# Altium PCB SOMO_PowerPack_Top.PcbDoc
Units mm, origin at the board's own origin, x right, y up, seen from the top; angles counter-clockwise.
Board outline 52.28 x 53.53 mm, 4 copper layers (Top Layer, Layer 1, Layer 2, Bottom Layer), stack 1.586 mm thick; 41 components, 57 nets, 270 pads, 36 vias.
Unrouted connection lines stored in the file: 55.
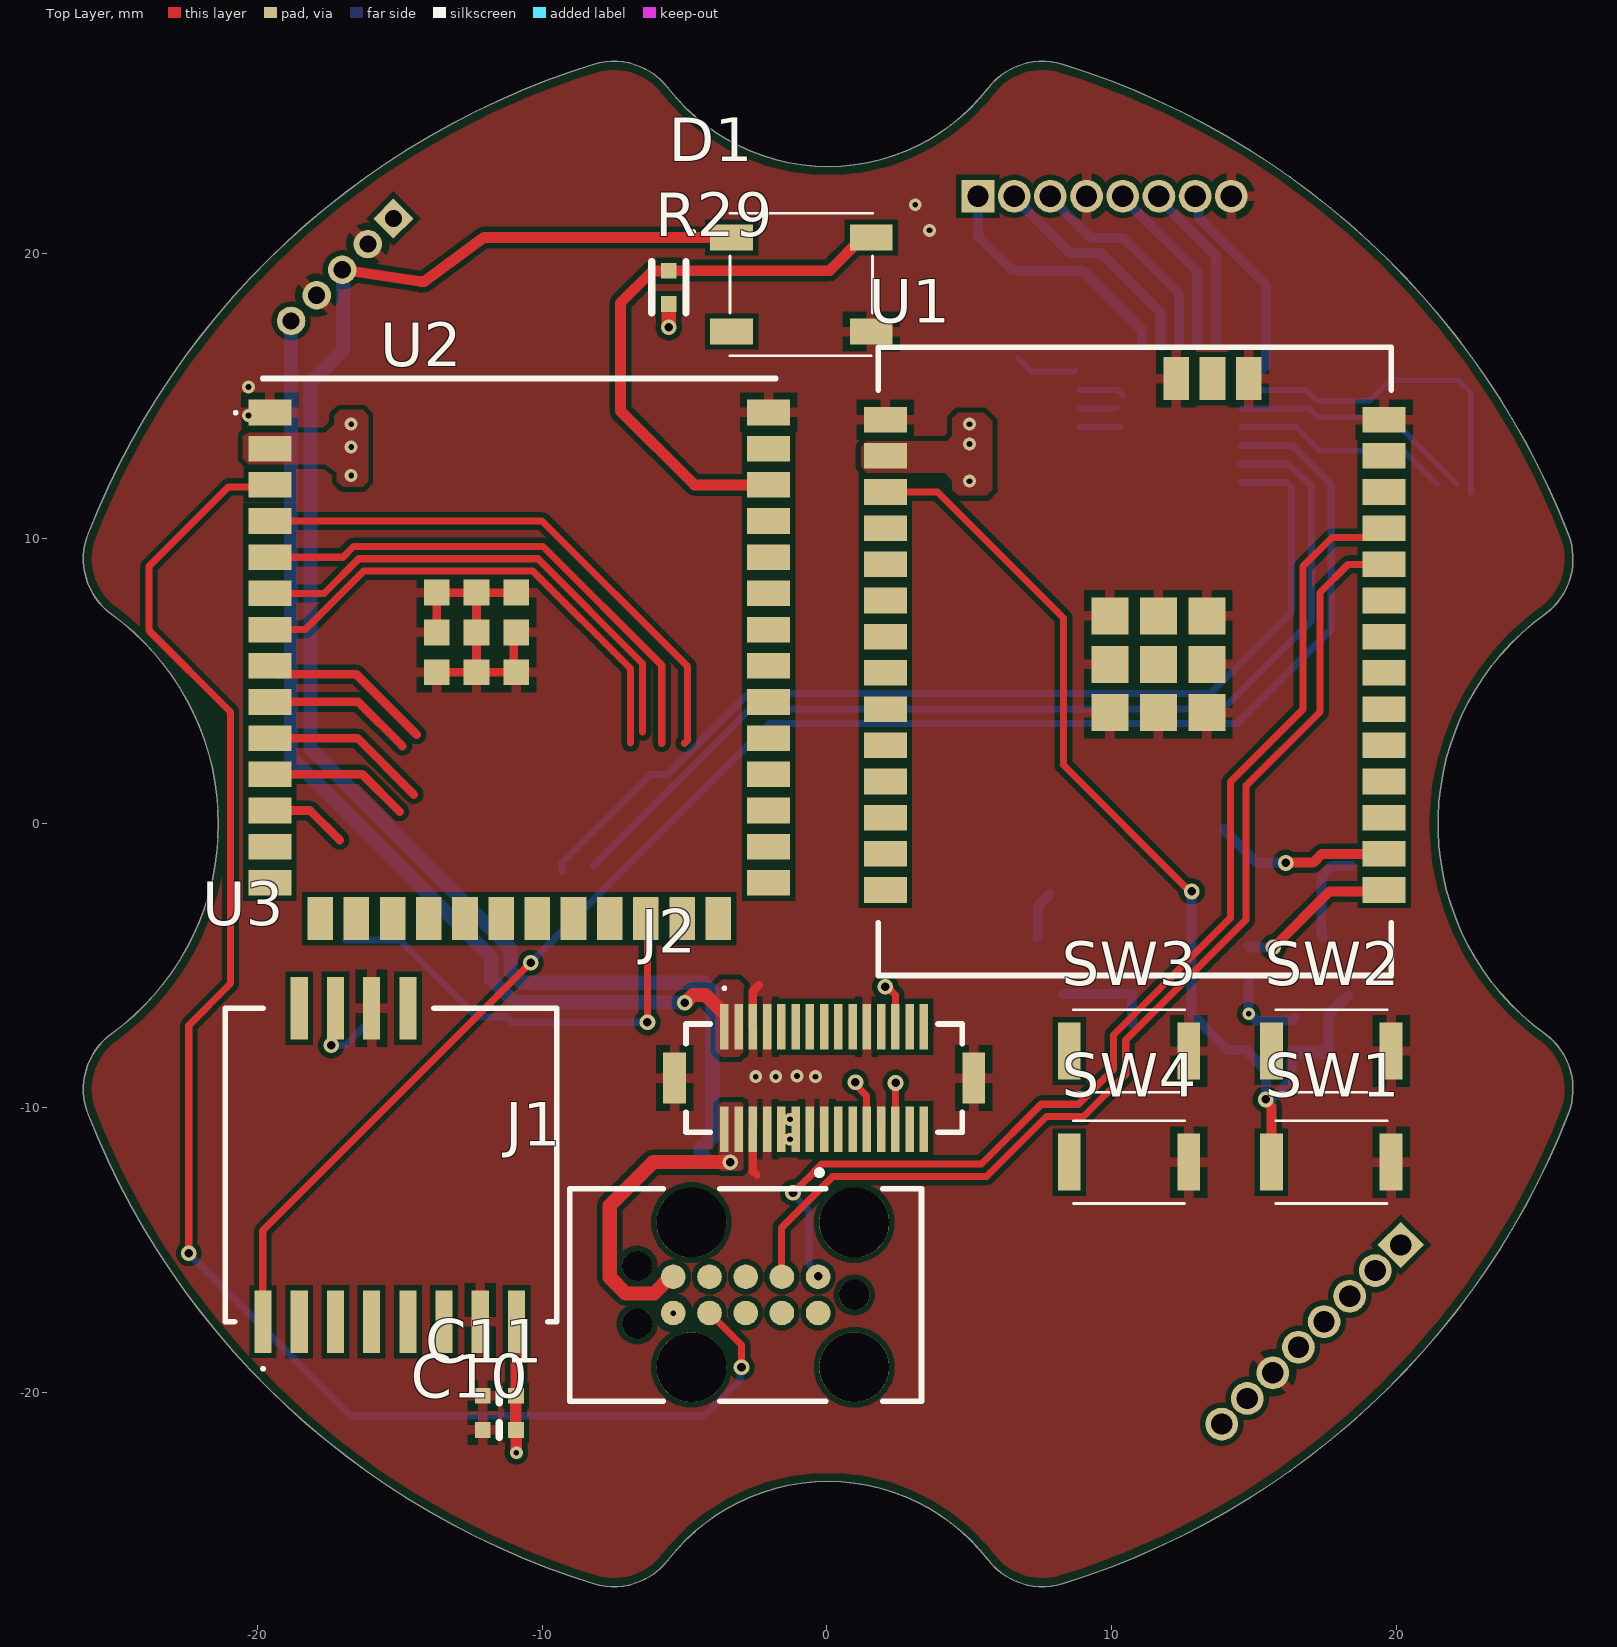
[diagram p0: Top Layer view]
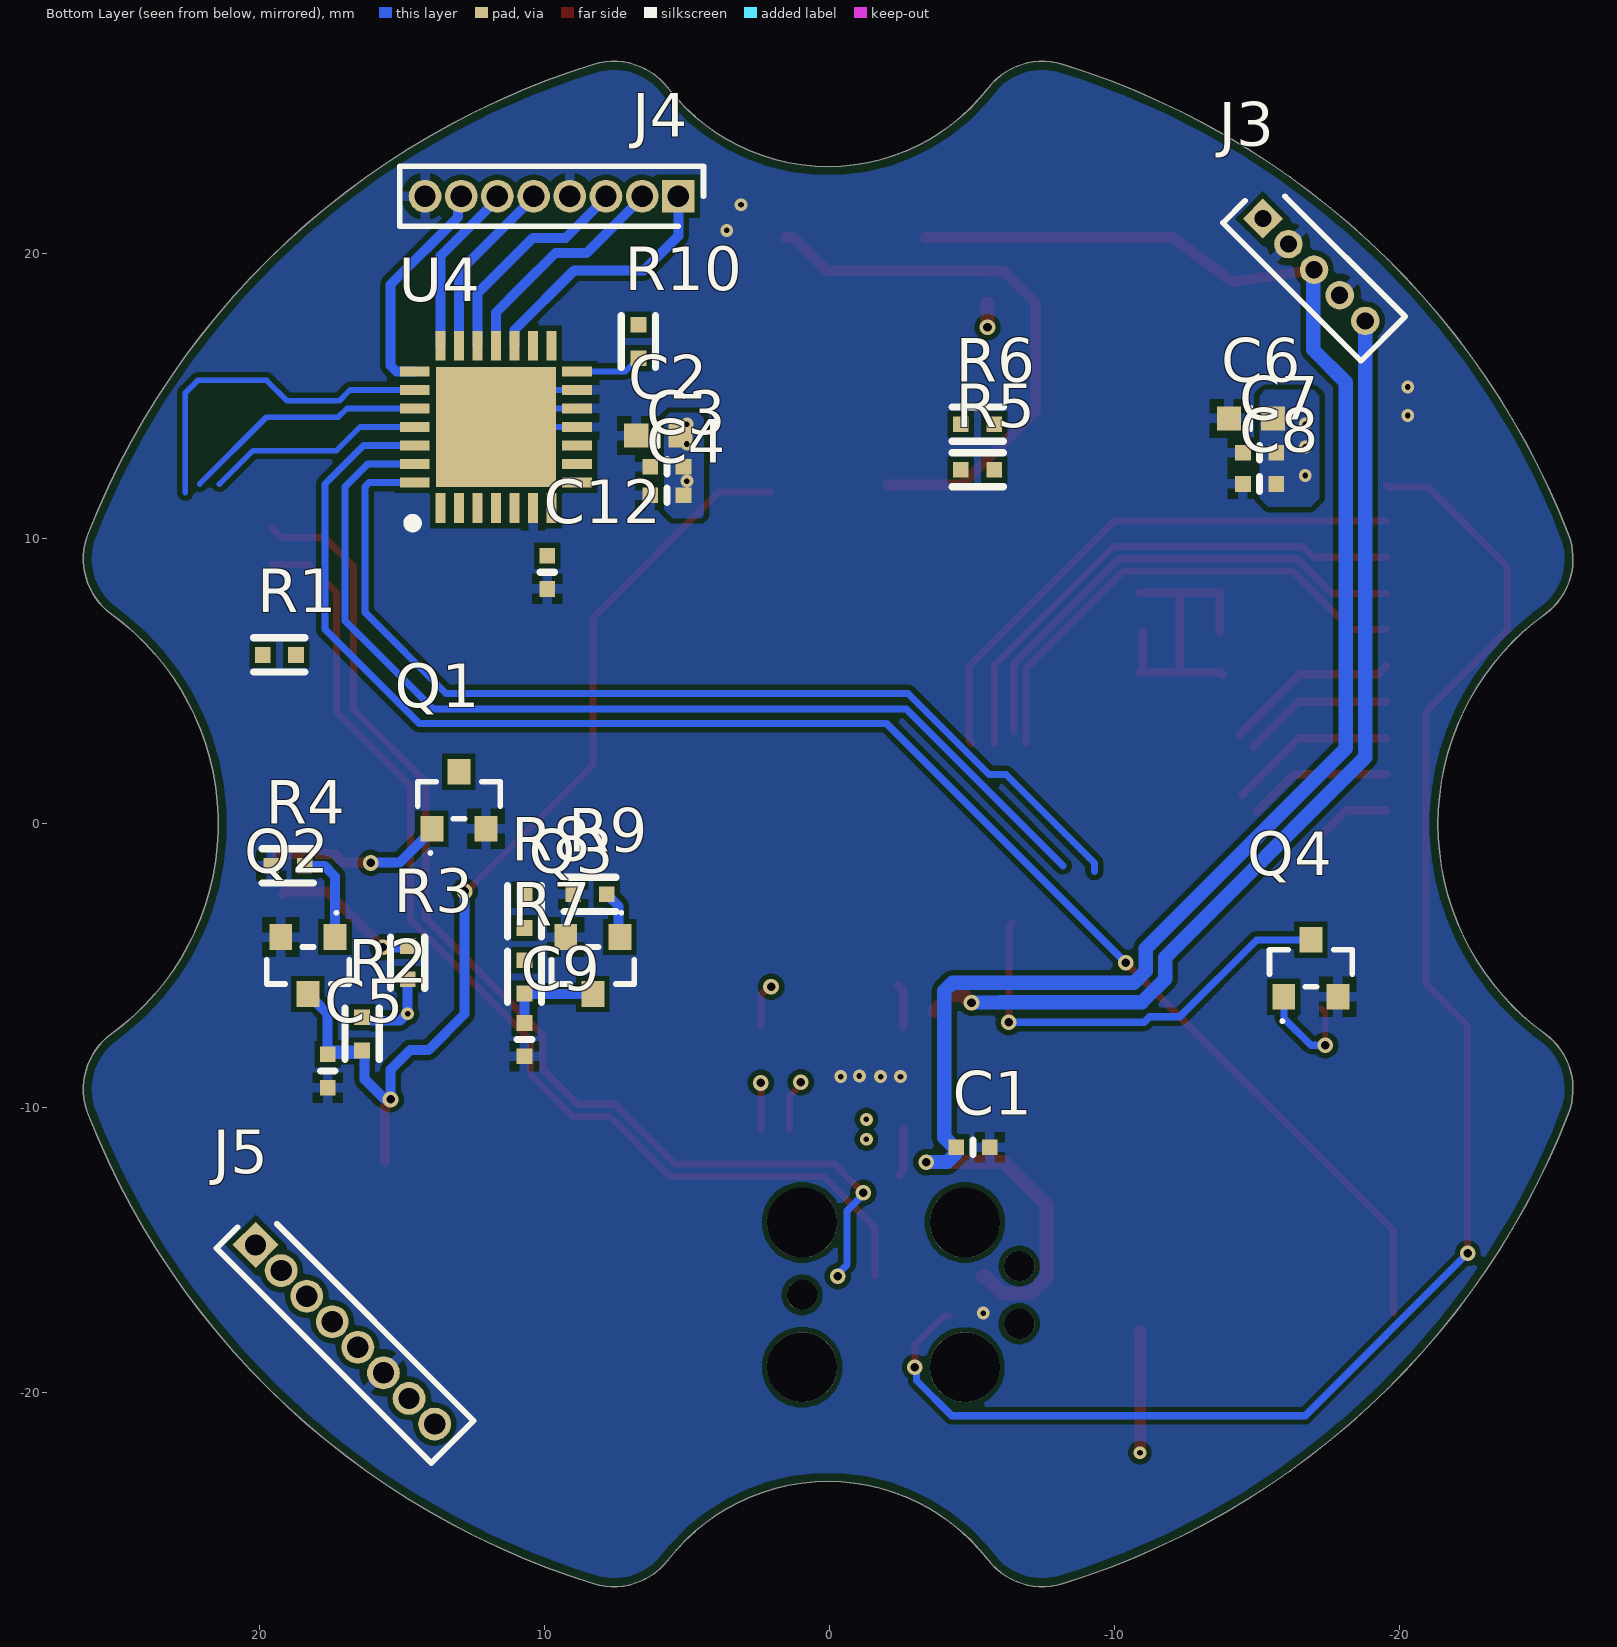
[diagram p1: Bottom Layer view, seen from below]
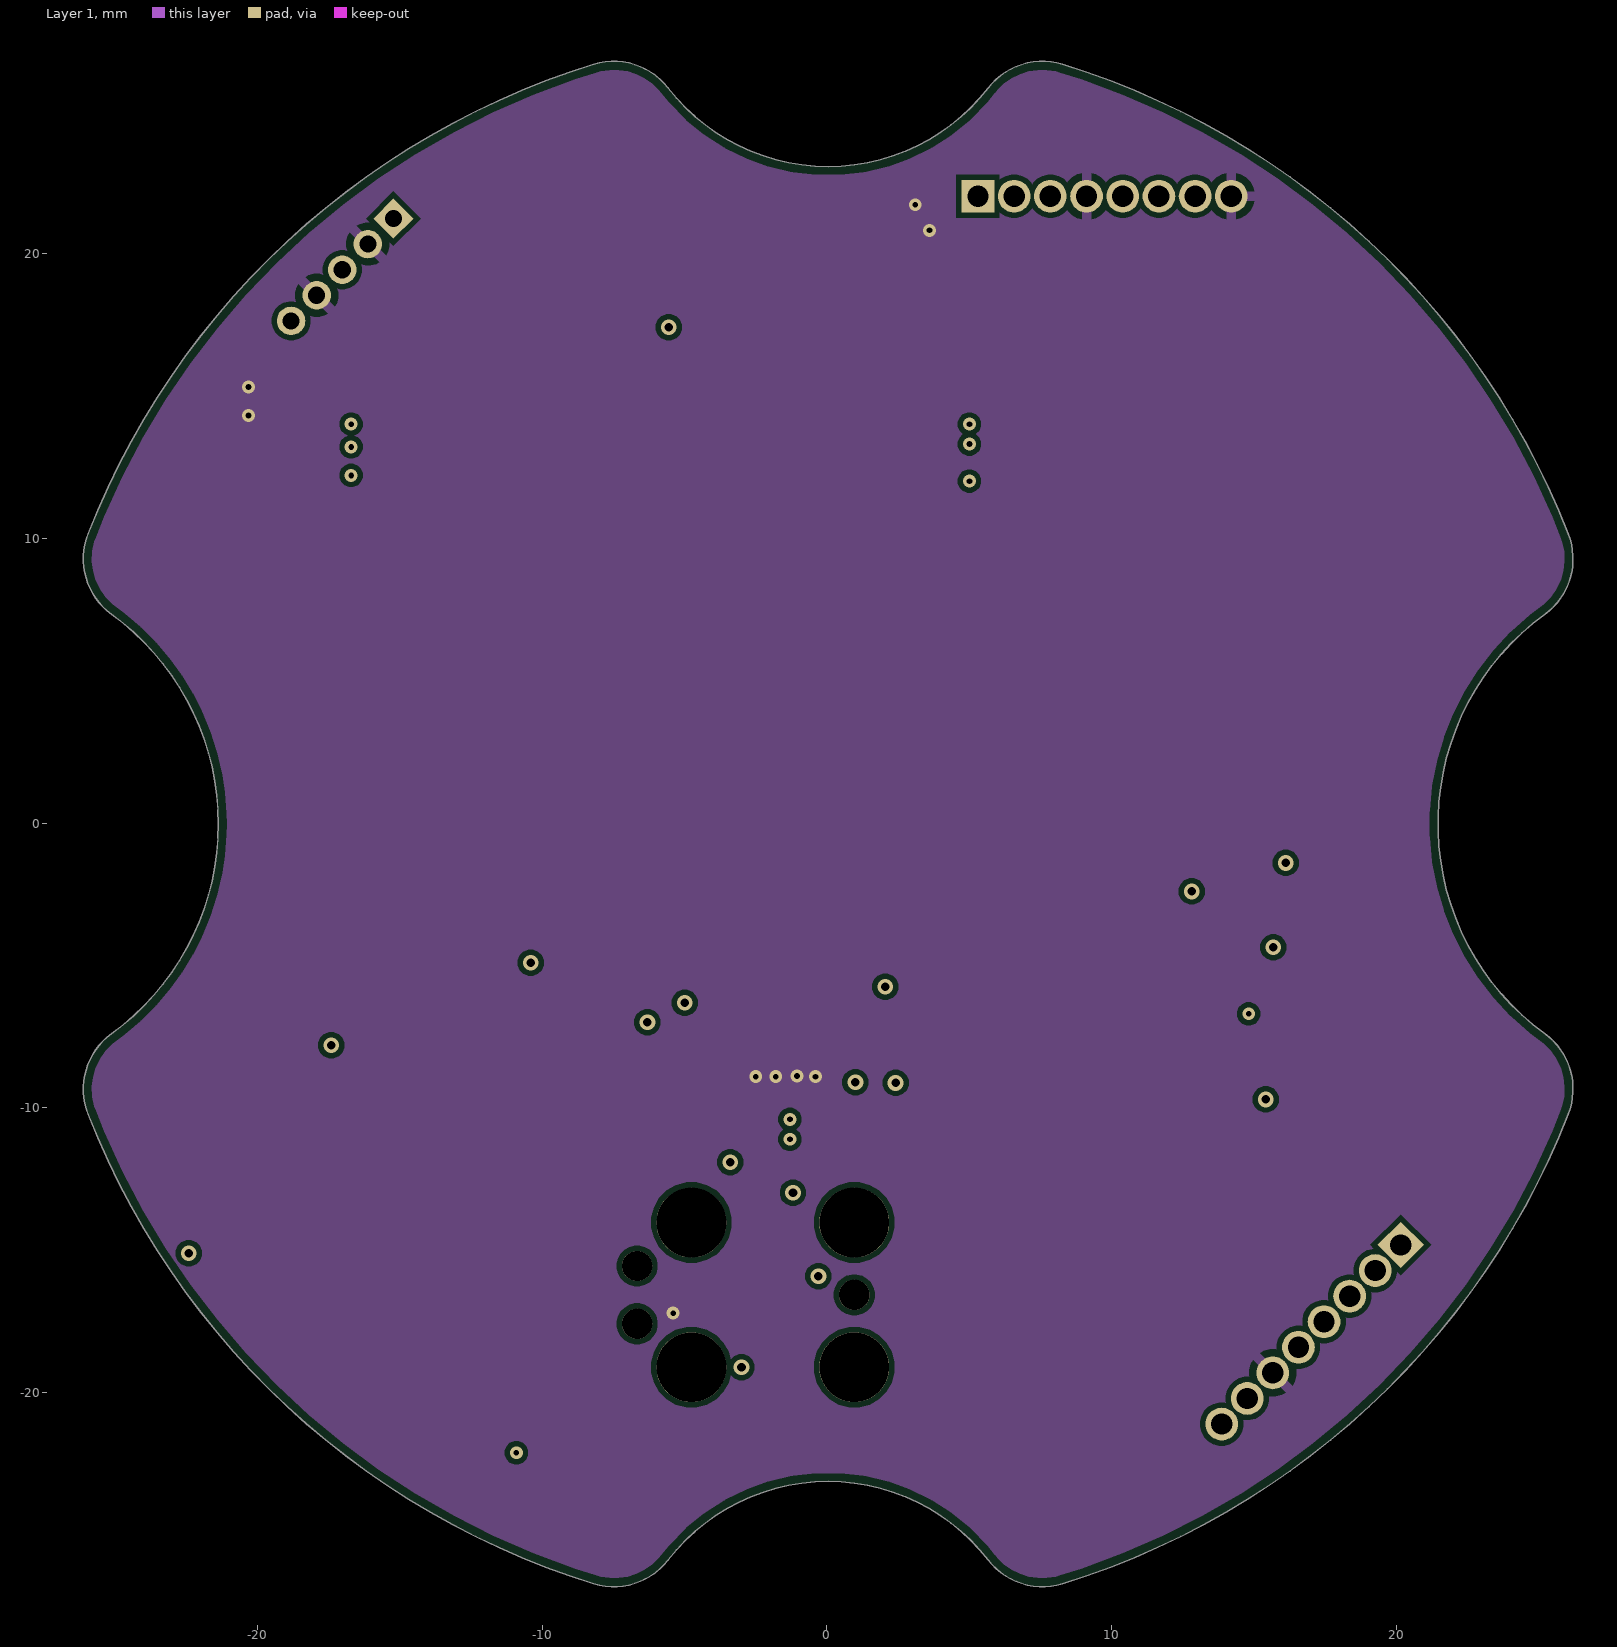
[diagram p2: Layer 1]
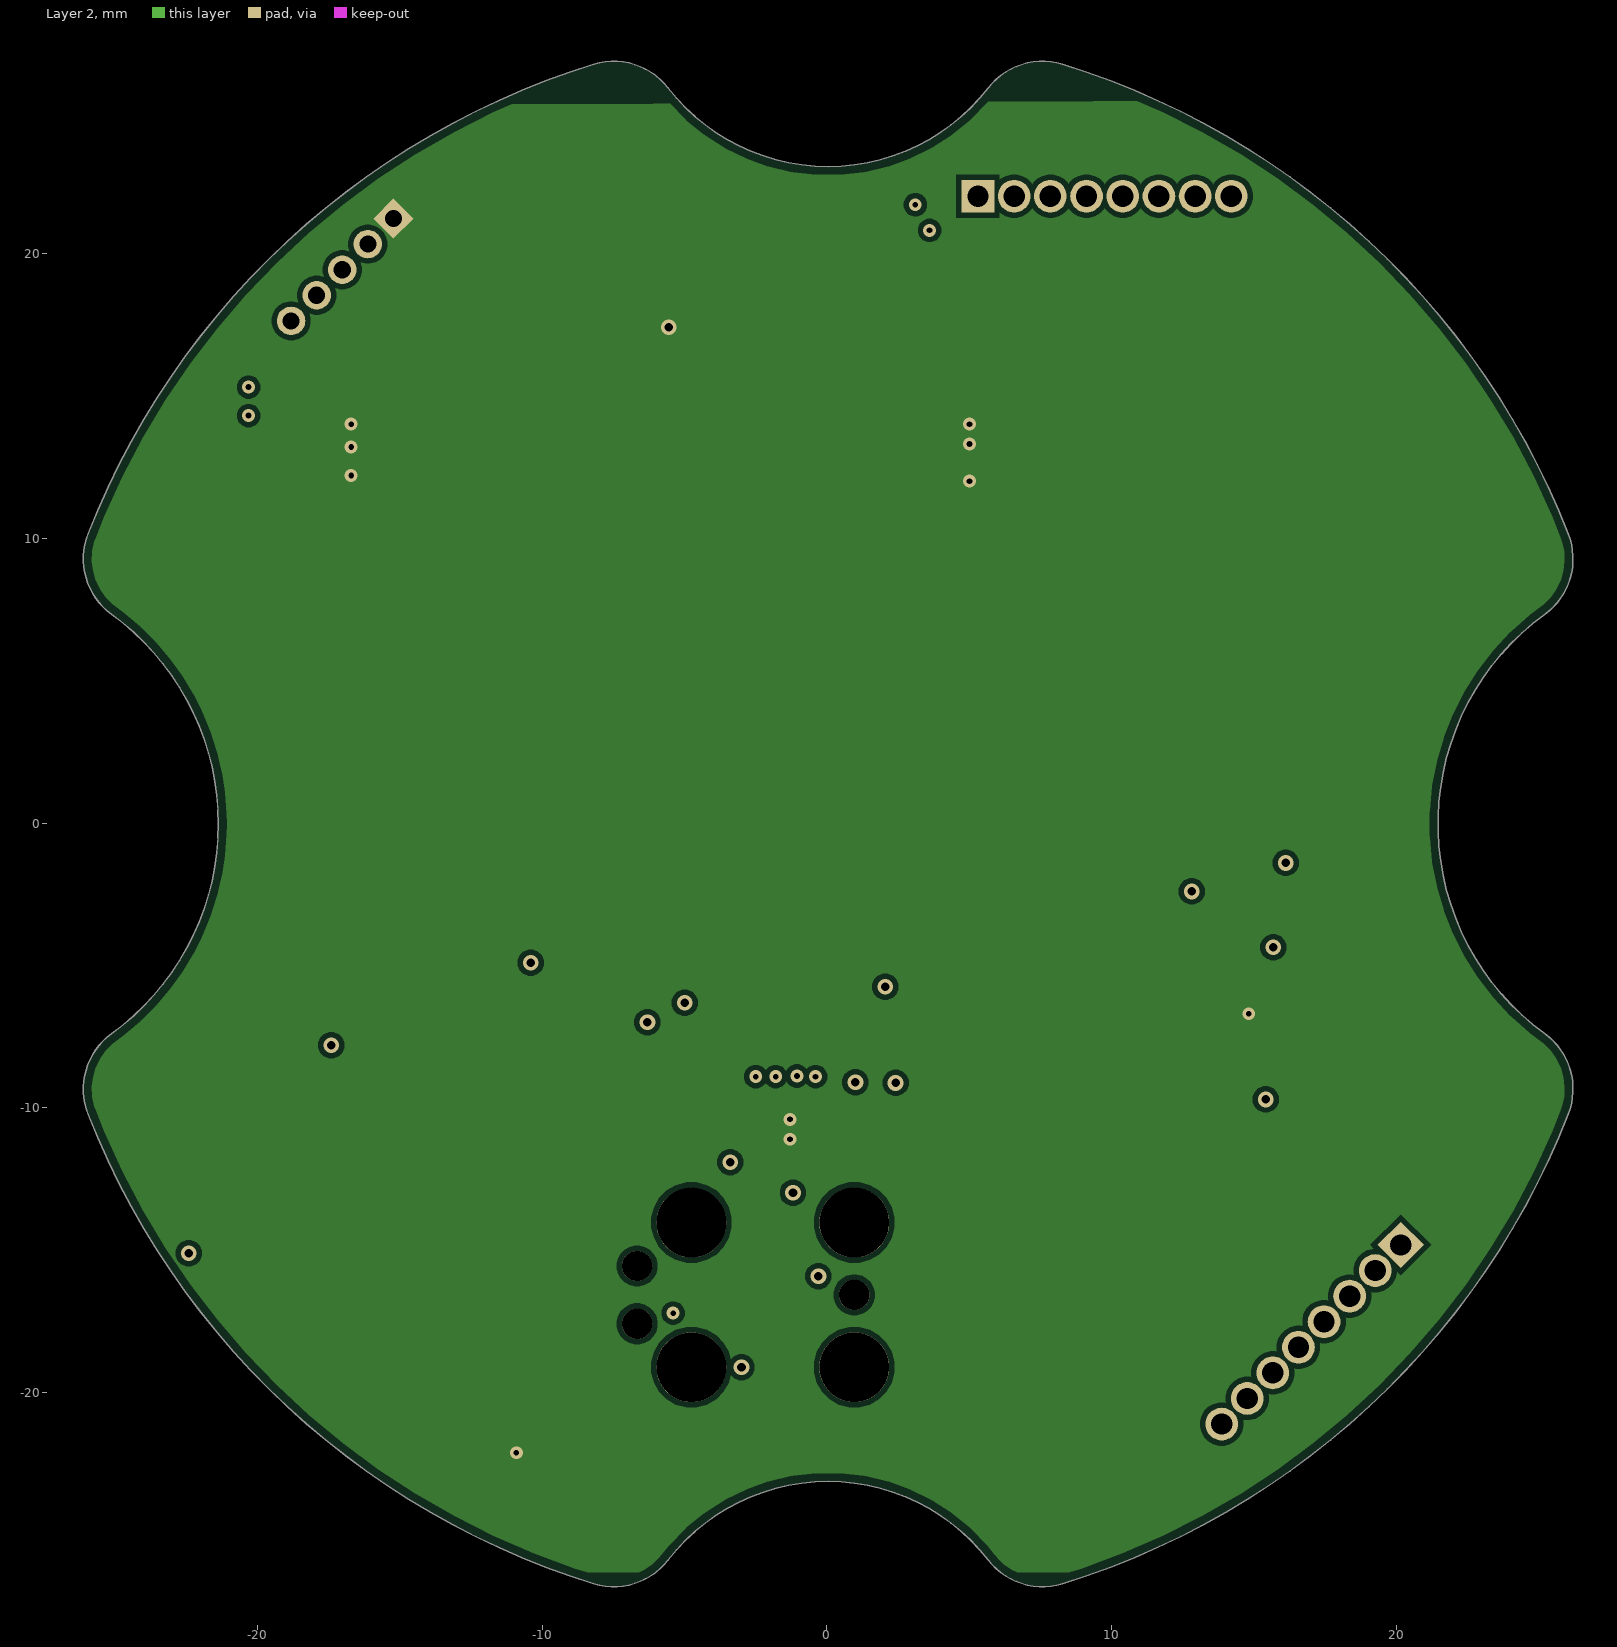
[diagram p3: Layer 2]

## Layer stack, top to bottom
Top Solder: solder mask 0.0102, Solder Resist, Dk 3.5
Top Layer: signal copper 0.035
Dielectric 2: prepreg 0.2104, PP-006, Dk 4.1
Layer 1: signal copper 0.0152
Dielectric 1: dielectric 1.065, FR-4, Dk 4.8
Layer 2: signal copper 0.0152
Dielectric 3: prepreg 0.2104, PP-006, Dk 4.1
Bottom Layer: signal copper 0.035
Bottom Solder: solder mask 0.0102, Solder Resist, Dk 3.5

## Board outline
-25.935,-10.214 cw(c-23.7,-9.338) -25.11,-7.396 ccw(c-30.458,-0.033) -21.358,-0.033 ccw(c-30.458,-0.033) -25.11,7.33 cw(c-23.7,9.271) -25.935,10.147 cw(c0.042,-0.033) -8.183,26.627 cw(c-7.476,24.333) -5.577,25.801 ccw(c0.042,30.142) 5.66,25.801 cw(c7.559,24.333) 8.267,26.627 cw(c0.042,-0.033) 26.018,10.147 cw(c23.784,9.271) 25.194,7.33 ccw(c30.542,-0.033) 25.194,-7.396 cw(c23.784,-9.338) 26.018,-10.214 cw(c0.042,-0.033) 8.267,-26.693 cw(c7.559,-24.4) 5.66,-25.867 ccw(c0.042,-30.208) -5.577,-25.867 cw(c-7.476,-24.4) -8.183,-26.693 cw(c0.042,-0.033)

## Design rules (kind name [scope] priority, off if disabled: settings)
BoardOutlineClearance [All] p1: gap=0.3 ignorepadtopadclearanceinfootprint=FALSE
Clearance Clearance_USB [All vs InNetClass('USB_Class')] p1: gap=0.18 ignorepadtopadclearanceinfootprint=FALSE except(0.12: Arc-Arc Arc-Track Track-Track)
Clearance [All] p2: gap=0.18 ignorepadtopadclearanceinfootprint=TRUE
DiffPairsRouting USB [InDifferentialPair('RP_USB')] p1: maxlimit=0.127 minlimit=0.127 mostfreqgap=0.127 toplayer_minwidth=0.208 toplayer_maxwidth=0.208 toplayer_prefwidth=0.208 midlayer1_minwidth=0.13 midlayer1_maxwidth=0.13 midlayer1_prefwidth=0.13 midlayer2_minwidth=0.13 midlayer2_maxwidth=0.13 midlayer2_prefwidth=0.13 bottomlayer_minwidth=0.208 bottomlayer_maxwidth=0.208 bottomlayer_prefwidth=0.208 impedanceprofiledriven=TRUE impedanceprofileid={3FAD6A34-9BF4-4C54-BD4F-410C22C2C8CD} maxuncoupledlength=12.7
DiffPairsRouting [All] p2: maxlimit=0.254 minlimit=0.254 mostfreqgap=0.254 toplayer_minwidth=0.381 toplayer_maxwidth=0.381 toplayer_prefwidth=0.381 midlayer1_minwidth=0.381 midlayer1_maxwidth=0.381 midlayer1_prefwidth=0.381 midlayer2_minwidth=0.381 midlayer2_maxwidth=0.381 midlayer2_prefwidth=0.381 bottomlayer_minwidth=0.381 bottomlayer_maxwidth=0.381 bottomlayer_prefwidth=0.381 maxuncoupledlength=12.7
MatchedLengths SPI-Length [InNetClass('SPI_Class')] p1: tolerance=25.4 checknetsindiffpair=FALSE checkdiffpairvsdiffpair=TRUE checkxsignals=TRUE checkothers=TRUE usedelayunits=TRUE delaytolerance=200.000000
MinimumSolderMaskSliver MinimumSolderMaskSliver_LCD [HasFootprint('SFV24R1STE1HLF')] p1: minsoldermaskwidth=0
MinimumSolderMaskSliver [All] p2: minsoldermaskwidth=0.1
PlaneClearance [All] p1: clearance=0.25
PlaneConnect ISOGND_Plane [InNet('ISO_GND')] p1: planeconnectstyle=Relief reliefexpansion=0.508 reliefentries=4 reliefconductorwidth=0.3 reliefairgap=0.5
PlaneConnect GND_Plane [InNet('GND')] p2: planeconnectstyle=Relief reliefexpansion=0.508 reliefentries=4 reliefconductorwidth=0.254 reliefairgap=0.254
PlaneConnect [All] p3: planeconnectstyle=Direct reliefexpansion=0.508 reliefentries=4 reliefconductorwidth=0.254 reliefairgap=0.254
PolygonConnect PolygonConnect_IsoGND [InNet('ISO_GND')] p1: connectstyle=Relief reliefconductorwidth=0.35 reliefentries=4 polygonreliefangle="90 Angle" airgapwidth=0.25
PolygonConnect Vias [ObjectKind = 'Via'] p2: connectstyle=Direct reliefconductorwidth=0.254 reliefentries=4 polygonreliefangle="90 Angle" airgapwidth=0.254
PolygonConnect PolygonConnect_GND [InNet('GND')] p3: connectstyle=Relief reliefconductorwidth=0.35 reliefentries=4 polygonreliefangle="90 Angle" airgapwidth=0.25
PolygonConnect [All] p4: connectstyle=Direct reliefconductorwidth=0.254 reliefentries=4 polygonreliefangle="90 Angle" airgapwidth=0.254
RoutingVias [All] p1: holewidth=0.3 width=0.45 viastyle="Through Hole" minholewidth=0.3 minwidth=0.4 maxholewidth=2 maxwidth=0.55
SilkToSilkClearance [All] p1: silktosilkclearance=0.102
SilkToSolderMaskClearance [IsPad] p1: minsilkscreentomaskgap=0.1 clearancetoexposedcopper=TRUE
SolderMaskExpansion TentedVias [IsVia] p1: expansion=0.102 istentingtop=TRUE
SolderMaskExpansion [All] p2: expansion=0.102 istentingtop=FALSE
SupplyNets "Schematic Supply Nets_3" [InNet('+3.3V')] p1: voltage=0.000
SupplyNets "Schematic Supply Nets_1" [InNet('GND')] p2: voltage=0.000
SupplyNets "Schematic Supply Nets_21" [InNet('+24V')] p3: voltage=0.000
SupplyNets "Schematic Supply Nets_11" [InNet('+5V')] p4: voltage=0.000
Width 50Ohm [InNetClass('50Ohm')] p1: maxlimit=0.369 minlimit=0.271 preferedwidth=0.369 toplayer_minwidth=0.369 midlayer1_maxwidth=0.271 midlayer1_prefwidth=0.271 midlayer2_maxwidth=0.271 midlayer2_prefwidth=0.271 bottomlayer_minwidth=0.369 impedanceprofiledriven=TRUE impedanceprofileid={21137598-858E-40BB-A13F-6A26D3C4B85E} minimp=50.000000 maximp=50.000000 favimp=50.000000
Width [All] p2: maxlimit=5 minlimit=0.15 preferedwidth=0.2
24 further rules are at their usual default settings.